# Altium PCB 室内空气监测MSP430.PcbDoc
Units mil, origin at the board's own origin, x right, y up, seen from the top; angles counter-clockwise.
Board outline 29205 x 16495 mil, 2 copper layers (Top Layer, Bottom Layer); 102 components, 103 nets, 399 pads, 267 vias.
Unrouted connection lines stored in the file: 180.
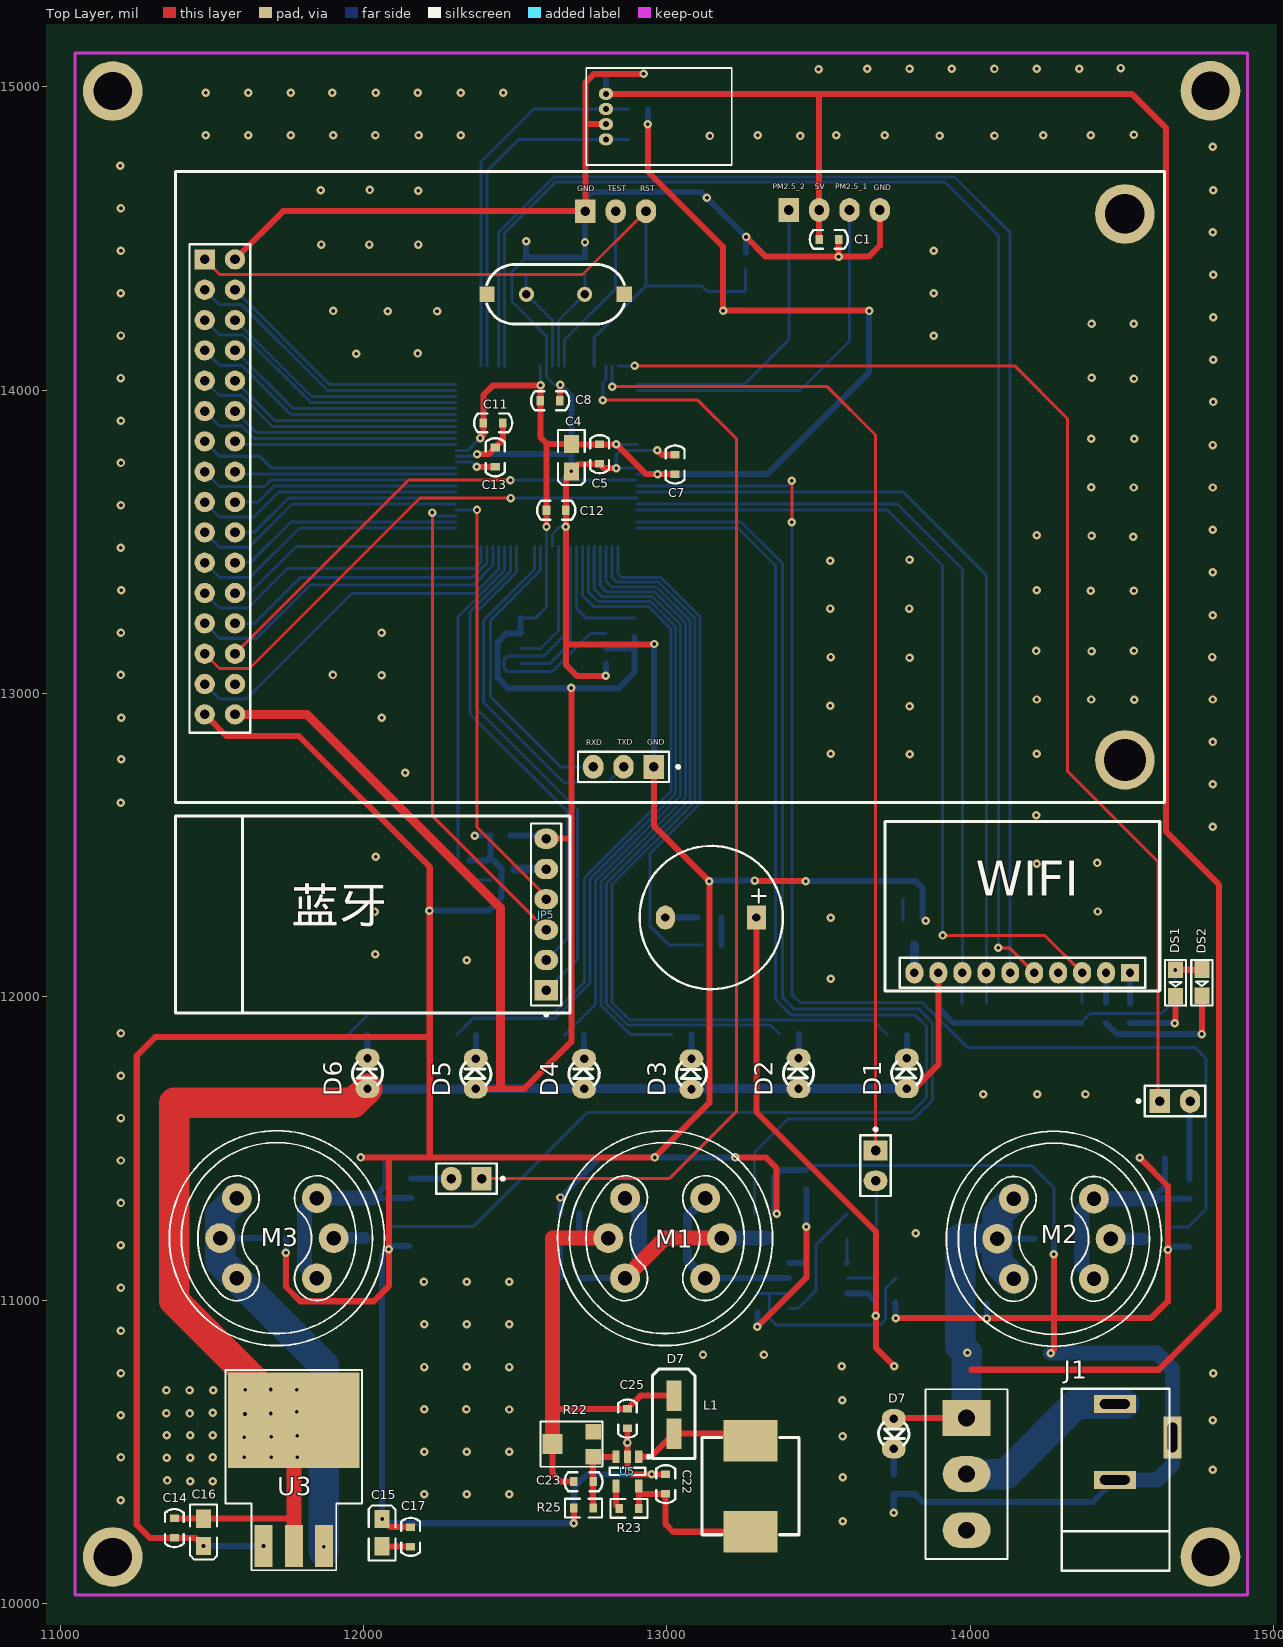
[diagram p0: Top Layer view]
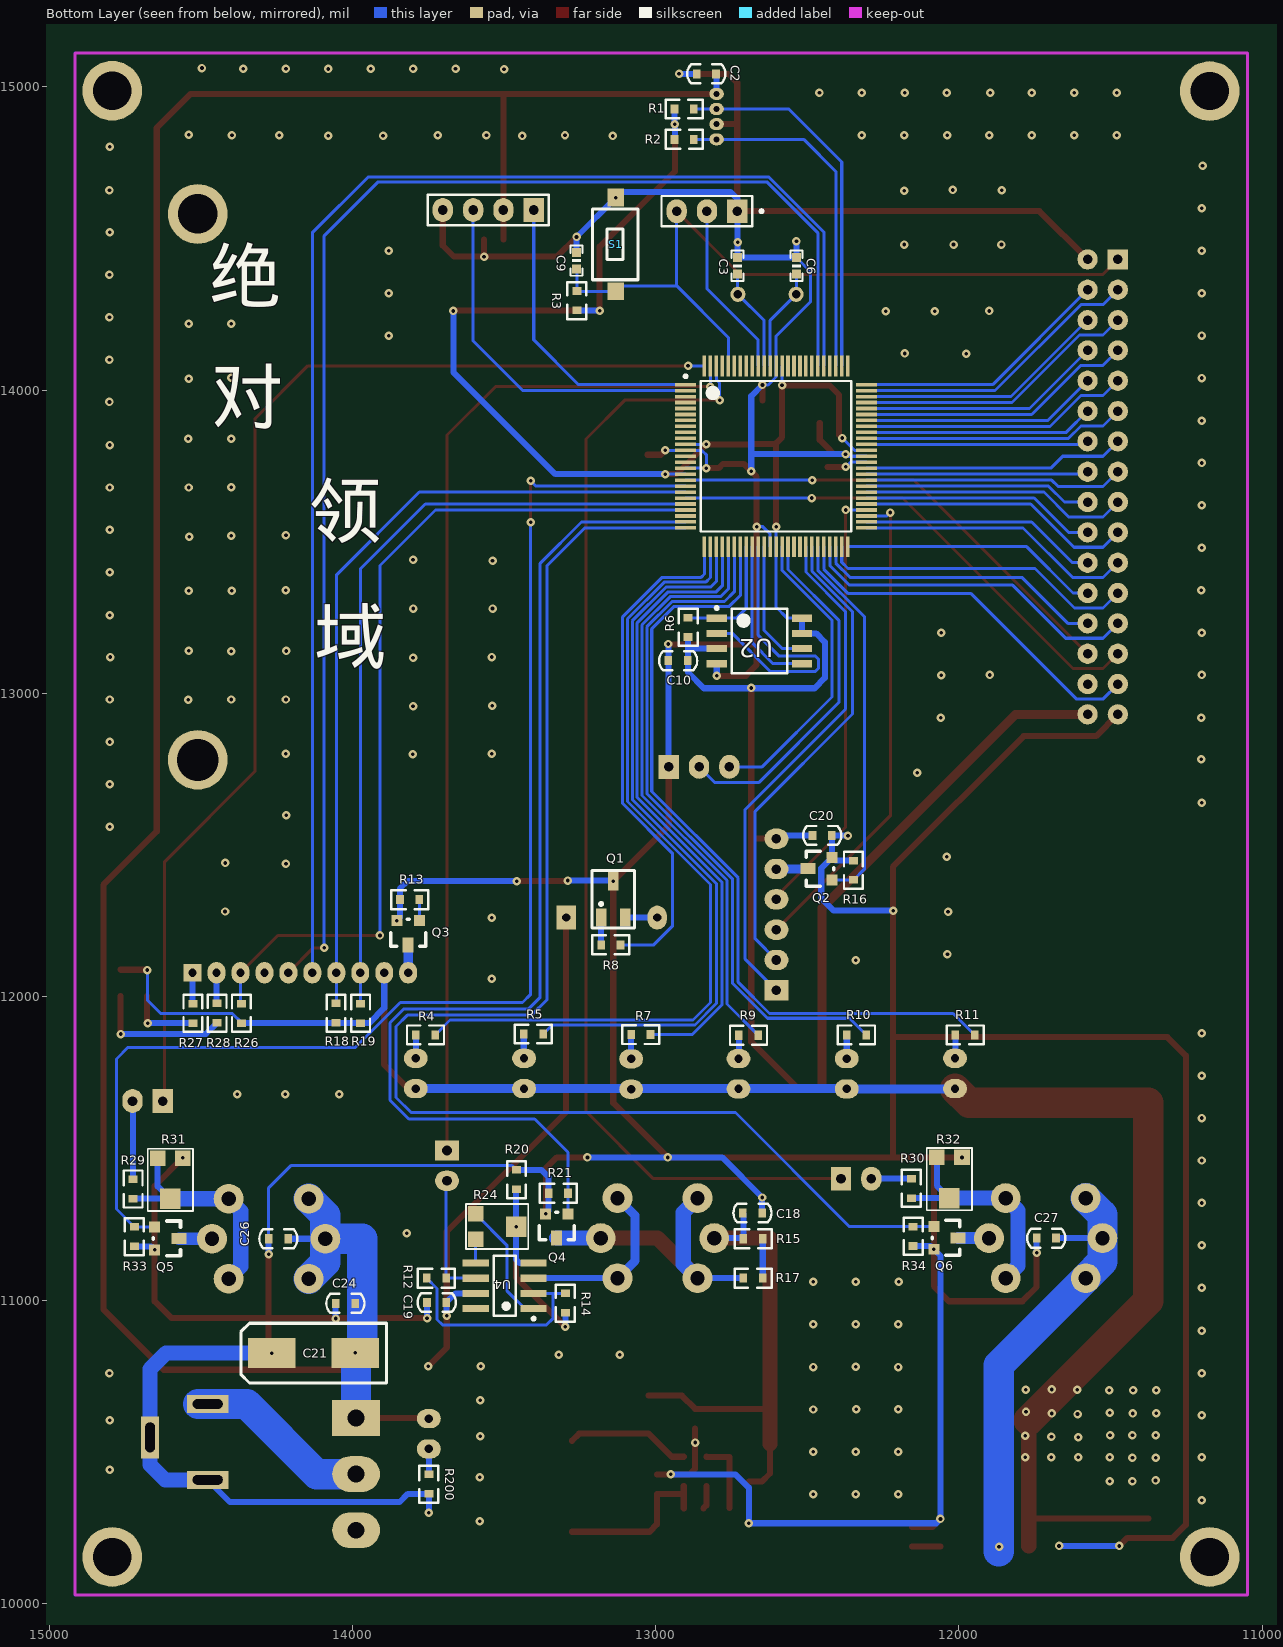
[diagram p1: Bottom Layer view, seen from below]

## Layer stack, top to bottom
Top Layer: signal copper 1.4
Dielectric: dielectric 12.6, FR-4, Dk 4.8
Bottom Layer: signal copper 1.4

## Board outline
395,17015 375,16995 375,520 29580,520 29580,17015

## Design rules (kind name [scope] priority, off if disabled: settings)
Clearance [All] p1: gap=6
HoleSize [All] p1: absolutevalues=TRUE maxlimit=12 minlimit=12 maxpercent=80.000 minpercent=20.000
HoleToHoleClearance [All] p1: gap=6 allowstackedmicrovias=TRUE
PolygonConnect [All] p1: connectstyle=Relief reliefconductorwidth=10 reliefentries=4 polygonreliefangle="90 Angle" airgapwidth=10
RoutingVias [All] p1: holewidth=28 width=50 viastyle="Through Hole" minholewidth=28 minwidth=50 maxholewidth=28 maxwidth=50
SolderMaskExpansion [All] p1: expansion=4
Width [All] p1: maxlimit=500 minlimit=6 preferedwidth=10
26 further rules are at their usual default settings.

## Classes and differential pairs
component class 室内空气监测: C1 C2 C3 C4 C5 C6 C7 C8 C9 C10 C11 C12 C13 C14 C15 C16 C17 C18 C19 C20 C21 C22 C23 C24 C25 C26 C27 D1 D2 D3 D4 D5 D6 D7 DS1 DS2 J1 JP1 JP3 JP4 JP5 L1 M1 M2 M3 Q1 Q2 Q3 Q4 Q5 Q6 R1 R2 R3 R4 R5 R6 R7 R8 R9 R10 R11 R12 R13 R14 R15 R16 R17 R18 R19 R20 R21 R22 R23 R24 R25 R26 R27 R28 R29 R30 R31 R32 R33 R34 R200 S1 U2 U3 U4 U5 U？1

## Components (designator, comment, footprint, x,y, rotation, side; value= is the part's Value field where it differs from the comment)
C1 "0.1UF" 0603C 13502,14497 r0 top
C2 "0.1UF" 0603C 12801,15043 r0 bottom
C3 "30PF" 0603P 12730,14410 r90 bottom
C4 "Cap Pol2" "0805C 10uf" 12685,13822 r270 top
C5 "0.1uF" 0603C 12778,13757 r90 top
C6 "30PF" 0603P 12536,14410 r90 bottom
C7 "0.1uF" 0603C 13027,13723 r90 top
C8 "0.1uF" 0603C 12583,13965 r0 top
C9 "0.1U" 0603P 13261,14427 r270 bottom
C10 "0.1UF" 0603C 12958,13108 r180 bottom
C11 "0.1uF" 0603C 12459,13892 r180 top
C12 "0.1uF" 0603C 12603,13604 r0 top
C13 "0.47uF" 0603C 12434,13811 r270 top
C14 "0.1uF" 0603C 11376,10216 r90 top
C15 "Cap Pol2" "0805C 10uf" 12061,10188 r90 top
C16 "Cap Pol2" "0805C 10uf" 11472,10279 r270 top
C17 "0.1uF" 0603C 12155,10251 r270 top
C18 "0.1UF" 0603C 12713,11287 r180 bottom
C19 "0.1UF" 0603C 13690,10992 r0 bottom
C20 "0.1UF" 0603C 12483,12532 r180 bottom
C21 "Cap Pol2" "7343 E型" 14128,10825 r0 bottom
C22 "2.2uF" 0603C 12996,10425 r270 top
C23 "390pF" 0603C 12757,10401 r180 top
C24 "0.1uF" 0603C 13991,10989 r0 bottom
C25 "4.7uF" 0603C 12870,10577 r90 top
C26 "0.1UF" 0603C 14212,11202 r0 bottom
C27 "0.1UF" 0603C 11680,11204 r0 bottom
D1 "" LED0.1-0.15 13791,11747 r90 top
D2 "" LED0.1-0.15 13434,11747 r90 top
D3 "" LED0.1-0.15 13081,11745 r90 top
D4 "" LED0.1-0.15 12727,11746 r90 top
D5 "" LED0.1-0.15 12370,11746 r90 top
D6 "" LED0.1-0.15 12013,11747 r90 top
D7 "5819" Diode-5819 13023,10622 r90 top
D7 "" LED0.1-0.15 13748,10559 r270 top
DS1 "" SMDLED 14677,12089 r270 top
DS2 "" SMDLED 14764,12090 r270 top
J1 "" PWJ-2/3 14477,10657 r90 top
JP1 "Header 4" HDR1-4 13402,14594 r270 bottom
JP2 "Header 2X16" HDR2-16 11476,14431 r270 top locked
JP3 "Header 3" HDR1-3 12957,12758 r270 top
JP4 "Header 3" HDR1-3 12731,14590 r270 bottom
JP5 "Header 6" HDR1-6 12602,12021 r180 top locked
JP6 "Header 10" "header 10 2.0" 14527,12079 r270 top locked
JP7 "" HDR1-2 13688,11493 r0 top
JP8 "" HDR1-2 14625,11656 r90 top
JP9 "" HDR1-2 12389,11400 r270 top
L1 "INDUCTOR" "0640 贴片电感" 13276,10386 r90 top
M1 "MG811" MG811 12994,11204 r0 top locked
M2 "MQ7" MG811 14276,11202 r0 top locked
M3 "MQ5" MG811 11714,11204 r0 top locked
Q1 "9012_SOT23" SOT-23-3L 13140,12321 r180 bottom
Q2 "SI2302" SOT23 12458,12422 r90 bottom
Q3 "SI2302" SOT23 13816,12211 r0 bottom
Q4 "SI2302" SOT23 13326,11244 r0 bottom
Q5 "SI2302" SOT23 14612,11203 r270 bottom
Q6 "SI2302" SOT23 12043,11205 r270 bottom
R1 "" 0603R 12906,14927 r180 bottom
R2 "" 0603R 12906,14827 r0 bottom
R3 "100K" 0603R 13260,14295 r270 bottom
R4 "" 0603R 13759,11874 r180 bottom
R5 "" 0603R 13403,11877 r180 bottom
R6 "10K" 0603R 12893,13218 r90 bottom
R7 "" 0603R 13049,11875 r180 bottom
R8 "10K" 0603R 13148,12171 r180 bottom
R9 "" 0603R 12694,11873 r180 bottom
R10 "" 0603R 12338,11874 r180 bottom
R11 "" 0603R 11980,11874 r180 bottom
R12 "" 0603R 13723,11072 r0 bottom
R13 "100K" 0603R 13811,12320 r0 bottom
R14 "" 0603R 13298,10990 r270 bottom
R15 "" 0603R 12679,11202 r0 bottom
R16 "100K" 0603R 12348,12417 r90 bottom
R17 "" 0603R 12679,11072 r180 bottom
R18 "" 0603R 14054,11946 r90 bottom
R19 "" 0603R 13973,11945 r90 bottom
R20 "" 0603R 13459,11397 r90 bottom
R21 "100K" 0603R 13321,11352 r0 bottom
R22 "RES-Pot2" "电位器 贴片" 12757,10483 r90 top
R23 "51K" 0603R 12875,10313 r180 top
R24 "RES-Pot2" "电位器 贴片" 13594,11284 r270 bottom
R25 "13K" 0603R 12725,10314 r180 top
R26 "" 0603R 14366,11945 r270 bottom
R27 "" 0603R 14526,11945 r270 bottom
R28 "" 0603R 14446,11946 r270 bottom
R29 "" 0603R 14723,11366 r90 bottom
R30 "" 0603R 12157,11368 r90 bottom
R31 "RES-Pot2" "电位器 贴片" 14559,11468 r0 bottom
R32 "RES-Pot2" "电位器 贴片" 11990,11470 r0 bottom
R33 "100K" 0603R 14719,11209 r270 bottom
R34 "100K" 0603R 12151,11210 r270 bottom
R200 "" 0603R 13748,10393 r90 bottom
S1 "" 两脚贴片按键 13133,14480 r270 bottom
S2 "SW-SPDT" "大电流拨动开关 两档三脚" 13988,10611 r270 top
U1 "MSP430F5438" PQFPG100 12603,13782 r180 bottom locked
U2 "W25X64" W25X64 12658,13173 r180 bottom
U3 "LM1084  3.3V TO-263" "LM1084 TO-263" 11770,10604 r270 top
U4 "CA3140A" SOP8 13498,11047 r0 bottom
U5 "LM27313" LM27313 12870,10435 r270 top
U？1 "AM2321" AM2321 12999,14902 r270 top
Y1 "8MHz" XTAL_US 12729,14316 r180 top
蜂鸣器1 "蜂鸣器" BELL0.3-0.46 13145,12261 r0 top

## Footprints (in the part's own frame and the unit in brackets; to place one, negate y for a bottom-side part, rotate by r counter-clockwise, add the part's x,y. Pads: shape width x height; smd on the part's side, far side on the other; paste and mask are expansions set on the pad)
0603C [mil]
  rect 25x30 smd: 1(0,0) 2(64,0)
  silkscreen extent -31,-31 95,31
0603P [mil]
  rect 30x30 smd: 1(-27,0) 2(27.5,-0.06)
  silkscreen extent -50,-20 50,20
0603R [mil]
  rect 25x30 smd: 1(-32,0) 2(32,0)
  silkscreen extent -61,-31 61,31
"0640 贴片电感" [mm]
  rect 3.5x4.5 smd: 1(-3.81,0) 2(3.81,0)
  silkscreen extent -4.06,-4.06 4.06,4.06
"0805C 10uf" [mil]
  rect 60x50 smd: 1(0,0) 2(90,0)
  silkscreen extent -47,-44 135,44
"7343 E型" [mm]
  rect 4x2.5 smd: 1(-3.5,0) 2(3.5,0)
  silkscreen extent -6.1,-2.5 6.1,2.5
AM2321 [mm]
  oval 1x1.2 hole 0.5: 1(-1.905,-5.08) 2(-0.635,-5.08) 3(0.635,-5.08) 4(1.905,-5.08)
  silkscreen extent -4.06,-6.73 4.06,5.46
BELL0.3-0.46 [mm]
  rect 1.6x2 hole 0.7: 1(3.81,0)
  oval 1.6x2 hole 0.7: 2(-3.81,0)
  silkscreen extent -5.97,-6 6.03,6
Diode-5819 [mil]
  rect 100x50 smd: 1(-62.5,0) 2(62.5,0)
  silkscreen extent -145,-70 150,70
HDR1-2 [mm]
  rect 2x1.7 hole 0.8: 1(0,0)
  oval 2x1.7 hole 0.8: 2(0,-2.54)
  silkscreen extent -1.27,-3.81 1.27,1.9
HDR1-3 [mm]
  rect 2x1.7 hole 0.8: 1(0,0)
  oval 2x1.7 hole 0.8: 2(0,-2.54) 3(0,-5.08)
  silkscreen extent -1.27,-6.35 1.27,2.16
HDR1-4 [mm]
  rect 2x1.7 hole 0.8: 1(0,0)
  oval 2x1.7 hole 0.8: 2(0,-2.54) 3(0,-5.08) 4(0,-7.62)
  silkscreen extent -1.27,-8.89 1.27,1.27
HDR1-6 [mm]
  rect 2x1.7 hole 0.8: 1(0,0)
  oval 2x1.7 hole 0.8: 2(0,-2.54) 3(0,-5.08) 4(0,-7.62) 5(0,-10.16) 6(0,-12.7)
  silkscreen extent -1.27,-13.97 1.27,2.15
HDR2-16 [mm]
  rect 1.7x1.7 hole 0.8: 1(0,0)
  round 1.7 hole 0.8: 2(0,2.54) 3(2.54,0) 4(2.54,2.54) 5(5.08,0) 6(5.08,2.54) 7(7.62,0) 8(7.62,2.54) 9(10.16,0) 10(10.16,2.54) 11(12.7,0) 12(12.7,2.54) 13(15.24,0) 14(15.24,2.54) 15(17.78,0) 16(17.78,2.54) 17(20.32,0) 18(20.32,2.54) 19(22.86,0) 20(22.86,2.54) 21(25.4,0) 22(25.4,2.54) 23(27.94,0) 24(27.94,2.54) 25(30.48,0) 26(30.48,2.54) 27(33.02,0) 28(33.02,2.54) 29(35.56,0) 30(35.56,2.54) 31(38.1,0) 32(38.1,2.54)
  silkscreen extent -1.27,-1.27 39.62,3.81
"header 10 2.0" [mm]
  rect 1.5x1.5 hole 0.7: 1(0,0)
  oval 1.8x1.5 hole 0.7: 2(0,-2.007) 3(0,-4.013) 4(0,-6.02) 5(0,-8.026) 6(0,-10.033) 7(0,-12.04) 8(0,-14.046) 9(0,-16.053) 10(0,-18.059)
  silkscreen extent -1.27,-19.28 1.27,1.27
LED0.1-0.15 [mm]
  oval 1.6x2 hole 0.7: 1(-1.27,0) 2(1.27,0)
  silkscreen extent -0.96,-1.27 0.96,1.27
"LM1084 TO-263" [mm]
  rect 3.5x1.5 smd: 1(10.541,-2.54) 2(10.541,0) 3(10.541,2.54)
  rect 8x11 smd: 2(0,0)
  silkscreen extent -4.19,-5.72 12.57,5.72
LM27313 [mm] "SOT23, 5-Leads, Body 2.92x2.84mm, Pitch 0.95mm, IPC Medium Density"
  rect 1.05x0.6 smd: 1(-1.225,0.95) 2(-1.225,0) 3(-1.225,-0.95) 4(1.225,-0.95) 5(1.225,0.95)
  silkscreen extent -1.35,-1.5 0.3,1.93, body extent -0.83,-1.49 0.84,1.5, height 1.22
MG811 [mm]
  round 2.5 hole 1.2: 1(-3.353,3.353) 2(-4.75,0) 3(-3.353,-3.353) 4(3.353,-3.353) 5(4.75,0) 6(3.353,3.353)
  silkscreen extent -9,-9 9,9
PQFPG100 [mm]
  rect 1.75x0.3 smd: 1(-7.575,6) 2(-7.575,5.5) 3(-7.575,5) 4(-7.575,4.5) 5(-7.575,4) 6(-7.575,3.5) 7(-7.575,3) 8(-7.575,2.5) 9(-7.575,2) 10(-7.575,1.5) 11(-7.575,1) 12(-7.575,0.5) 13(-7.575,0) 14(-7.575,-0.5) 15(-7.575,-1) 16(-7.575,-1.5) 17(-7.575,-2) 18(-7.575,-2.5) 19(-7.575,-3) 20(-7.575,-3.5) 21(-7.575,-4) 22(-7.575,-4.5) 23(-7.575,-5) 24(-7.575,-5.5) 25(-7.575,-6) 51(7.575,-6) 52(7.575,-5.5) 53(7.575,-5) 54(7.575,-4.5) 55(7.575,-4) 56(7.575,-3.5) 57(7.575,-3) 58(7.575,-2.5) 59(7.575,-2) 60(7.575,-1.5) 61(7.575,-1) 62(7.575,-0.5) 63(7.575,0) 64(7.575,0.5) 65(7.575,1) 66(7.575,1.5) 67(7.575,2) 68(7.575,2.5) 69(7.575,3) 70(7.575,3.5) 71(7.575,4) 72(7.575,4.5) 73(7.575,5) 74(7.575,5.5) 75(7.575,6)
  rect 0.3x1.75 smd: 26(-6,-7.575) 27(-5.5,-7.575) 28(-5,-7.575) 29(-4.5,-7.575) 30(-4,-7.575) 31(-3.5,-7.575) 32(-3,-7.575) 33(-2.5,-7.575) 34(-2,-7.575) 35(-1.5,-7.575) 36(-1,-7.575) 37(-0.5,-7.575) 38(0,-7.575) 39(0.5,-7.575) 40(1,-7.575) 41(1.5,-7.575) 42(2,-7.575) 43(2.5,-7.575) 44(3,-7.575) 45(3.5,-7.575) 46(4,-7.575) 47(4.5,-7.575) 48(5,-7.575) 49(5.5,-7.575) 50(6,-7.575) 76(6,7.575) 77(5.5,7.575) 78(5,7.575) 79(4.5,7.575) 80(4,7.575) 81(3.5,7.575) 82(3,7.575) 83(2.5,7.575) 84(2,7.575) 85(1.5,7.575) 86(1,7.575) 87(0.5,7.575) 88(0,7.575) 89(-0.5,7.575) 90(-1,7.575) 91(-1.5,7.575) 92(-2,7.575) 93(-2.5,7.575) 94(-3,7.575) 95(-3.5,7.575) 96(-4,7.575) 97(-4.5,7.575) 98(-5,7.575) 99(-5.5,7.575) 100(-6,7.575)
  silkscreen extent -7.7,-6.3 6.3,6.82, body extent -7,-7 7,7, height 1.6
PWJ-2/3 [mm]
  rect 1.5x3.5 hole 0.8 slot 2.5 at 90 deg: 1(0,0) 2(-6.35,0)
  rect 3.5x1.5 hole 0.8 slot 2.5 at 0 deg: 3(-2.794,-4.826)
  silkscreen extent -13.97,-4.57 1.27,4.44
SMDLED [mm]
  rect 1.4x1.27 smd: 1(0.001,-0.002) 2(2.211,-0.002)
  silkscreen extent -0.8,-0.89 3.01,0.89
SOP8 [mm] "SOP, 8-Leads, Body 4.90x3.90mm, Pitch 1.27mm, IPC Medium Density"
  rect 2.2x0.6 smd: 1(-2.425,1.905) 2(-2.425,0.635) 3(-2.425,-0.635) 4(-2.425,-1.905) 5(2.425,-1.905) 6(2.425,-0.635) 7(2.425,0.635) 8(2.425,1.905)
  silkscreen extent -2.55,-2.5 0.93,2.88, body extent -2,-2.5 2,2.5, height 1.75
SOT23 [mil]
  rect 36x36 smd: 1(-37.5,-40) 2(37.5,-40)
  rect 36x50 smd: 3(0.5,40)
  silkscreen extent -58,-45 58,45
SOT-23-3L [mil]
  rect 35x60 smd: 1(-40,-60) 2(40,-60) 3(0,60)
  silkscreen extent -70,-95 70,95
W25X64 [mm] "SOIC, 8-Leads, Body 5.28x5.28mm, Pitch 1.27mm, IPC Medium Density"
  rect 1.7x0.6 smd: 1(-3.575,1.905) 2(-3.575,0.635) 3(-3.575,-0.635) 4(-3.575,-1.905) 5(3.575,-1.905) 6(3.575,-0.635) 7(3.575,0.635) 8(3.575,1.905)
  silkscreen extent -3.7,-2.7 2.33,2.88, body extent -2.7,-2.7 2.7,2.7, height 2.16
XTAL_US [mil]
  round 50 hole 28: 1(0,0) 2(192.13,0)
  rect 50x50 smd: ""(-130.32,0) ""(322.44,0)
  silkscreen extent -131,-98 323,98
两脚贴片按键 [mil]
  rect 59.06x55.12 smd: 1(-155,1) 2(154,1)
  silkscreen extent -117,-76 116,74
"大电流拨动开关 两档三脚" [mm]
  rect 3x4 hole 1.4: 1(0,0)
  oval 3x4 hole 1.4: 2(4.699,0) 3(9.398,0)
  silkscreen extent -2.41,-3.43 11.81,3.43
"电位器 贴片" [mm]
  rect 1.3x1.3 smd: 1(0,0) 3(2.108,0)
  rect 1.7x1.7 smd: 2(1.067,3.404)
  silkscreen extent -0.84,-0.79 2.95,4.42

## Part data
C1 C2 C5 C7 C8 C10 C11 C12 C13 C14 C17 C18 C19 C20 C22 C23 C24 C25 C26 C27: library part Cap, "Capacitor"
C3 C6 C9: library part C
C4 C15 C16 C21: "Polarized Capacitor (Axial)"
D1 D2 D3 D4 D5 D6 D7: library part LED, "Typical RED, GREEN, YELLOW, AMBER GaAs LED"
D7: library part "Diode -Zener", "Zener Diode"
DS1 DS2: library part LED2, "Typical RED, GREEN, YELLOW, AMBER GaAs LED"
J1: library part Powerjack_F, "2-Conductor Jack with 1 break contact"
JP1: "Header, 4-Pin"
JP2: "Header, 16Pin, Dual row"
JP3 JP4: "Header, 3-Pin"
JP5: "Header, 6-Pin"
JP6: "Header, 10-Pin"
JP7 JP8 JP9: library part "Header 2", "Header, 2-Pin"
M2 M3: library part MG811, "MG811"
Q2 Q3 Q4 Q5 Q6: library part "SI2302 A2SHB", "N-Channel MOSFET"
R1 R2 R4 R5 R7 R9 R10 R11 R12 R14 R17 R18 R19 R20 R26 R27 R28 R29 R30 R200: library part Res, "Resistor"
R3 R6 R8 R13 R16 R21 R23 R25 R33 R34: library part R-10K, "resistor"
R15: library part "Res Varistor"
R22 R24 R31 R32: "Potentiometer"
S1: library part SW-PB_1, "Switch"
S2: "Single-Pole, Double-Throw Switch"
U3: library part "LM1084 TO-263"
Y1: library part XTAL, "Crystal Oscillator"
蜂鸣器1: library part Buzzer, "Buzzer"

## Free pads (board coordinates)
  round 196.85 hole 125.98: 0(11173,10153) 0(11173,14986) 0(14792,10153) 0(14792,14987)
  round 196.85 hole 137.8: 0(14510,12781)
  round 196.85 hole 129.92: 0(14510,14581)

## Via types
v1: diameter 28, hole 12, Top Layer to Bottom Layer, 267 vias

## Nets (pads, with @x,y where several pads share a name; then routed paths per layer and width w, separated by ;. In a path a pad name is that pad's centre, name@x,y a point inside that pad or via, vN(x,y) a via of type N, cw(c..) or ccw(c..) an arc to the next point about the centre after c; other vN are vias at no path point)
3.3V: C4.1 C5.2 C7.1 C8.1 C10.2 C11.2 C12.1 C14.2 C16.1 C20.1 D1.1 D2.1 D3.1 D4.1 D5.1 D6.1 DS1.1 DS2.1 JP2.32 JP5.6 JP6.9 R1.1 R2.2 R3.2 R6.1 R18.1 R19.1 R26.2 U1.11 U1.16 U1.38 U1.64 U1.87 U2.3 U2.7 U2.8 U3.2 | length 14822.9
  Top Layer w10: C8.1 C8.1@12583.31,13965.31 ; C4.1 C4.1@12686,13821 ; v1@12832.63,13821 v1(12833,13821.37)
  Top Layer w20: C14.2 11377,10279 C16.1 11767,10279 ; D5.1 12530,11696 12685,11851 12685,12521 ; v1(12385,13842) 12395,13852 C11.2 12395,13984 12427,14016 v1(12583.31,14016) C8.1@12583.31,13965.31 ; C8.1 12583,13845 12603,13825 ; JP5.6 12685,12521 ; v1(12603,13550) C12.1 12603,13825 ; v1(12685,13018) 12685,12521 ; C4.1 12606,13822 12603,13825 ; C4.1@12686,13821 C5.2 v1@12832.63,13821 ; v1(12833,13821.37) 12931.37,13723 C7.1 ; v1(12937,14877) 12937,14721 13185,14473 v1(13185,14262) 13666,14262 v1(13667,14261) ; D1.1 13816,11697 13895,11776 JP6.9 ; DS1.1 14762.94,12088.97 DS2.1
  Top Layer w30: JP2.32 11813,12931 12451,12293 12451,11706
  Top Layer w50: U3.2@11770,10189 U3.2@11770,10604
  Top Layer w100: U3.2@11770,10604 11376,10998 11376,11650 11966,11650 D6.1
  Bottom Layer w10: U1.64 12344.68,13801.68 v1(12385,13842) ; U2.8 12566,13248 12603,13285 U1.38 v1(12603,13550) ; v1(12583.31,14016) U1.87 ; U2.3 U2.3@12799.25,13147.5 ; v1(12833,13821.37) U1.11 ; U1.16 v1(12969,13722.94) ; R26.2@14365,11914 14396,11945 14632,11945 14676,11989 v1(14676,12088)
  Bottom Layer w20: C20.1 JP5.6@12591,12532 ; U2.8 U2.7 12471,13198 12442,13169 12442,13051 12476,13017 12652,13017 ; 12654,13017 12841,13017 12893,13069 12893,13147.5 ; U2.3@12799.25,13147.5 12893,13147.5 ; R6.1 12893,13147.5 ; v1(12937,14877) 12937,14828 R2.2 ; v1@12938,14877 R1.1 ; v1(12969,13722.94) 13330.94,13722.94 13667,14059 v1(13667,14261) ; v1(13185,14262) 13186,14263 R3.2 ; JP6.9 13895,11963 13945,11913 R19.1 ; R19.1@13973,11914 R18.1 R26.2@14365,11914
  Bottom Layer w30: D6.1 12014,11696 D5.1 ; D5.1@12370,11697 D2.1 D1.1 ; JP5.6@12591,12532 JP5.6
  other v1: 11428,10403 11503,10403 11352,10405 11351,10480 11428,10480 11503,10481 11607,10481 11696,10482 11781,10482 11607,10548 11695,10549 11781,10552 11351,10554 11428,10554 11502,10554 11609,10624 11427,10626 11694,10626 11350,10627 11503,10628 11779,10631 11350,10702 11426,10702 11504,10702 11610,10704 11780,10704 11694,10705
5V: C1.1 C2.1 C15.1 C17.2 C19.1 C21.1 C22.2 C24.1 C26.1 C27.1 D7.1@13748,10609 JP1.2 L1.1 M2.1 M2.2 M2.3 M3.1 M3.2 M3.3 R23.1 S2.1 U3.3 U4.7 U5.5 U？1.1 蜂鸣器1.1 | length 12651.4
  Top Layer w20: C15.1@12061,10187 C17.2 ; U？1.1 14533,14977 14645,14865 14645,12545 14821,12369 14821,10969 14622,10770 14004,10770 ; R23.1 12907.4,10313.4 U5.5 ; 12908.4,10361 C22.2 12996,10260 13020,10236 L1.1 ; 蜂鸣器1.1 13295,11620 13689,11226 v1(13689,10948) 13689,10843 v1(13750,10782) ; C1.1 JP1.2 13502,14977 ; D7.1@13750,10611 S2.1
  Bottom Layer w20: M3.2 C27.1 ; U？1.1 12799,15041 C2.1 ; U4.7 13660,11022 C19.1 13690,10949 v1(13689,10948) ; M2.2 C26.1
  Bottom Layer w100: M3.1 11527,11281 M3.2 11527,11127 M3.3 11869,10785 11869,10171 ; S2.1 13988,10822.8 C21.1 13967,10848.2 13967,11202 M2.2 ; M2.3 14089,11125 M2.2 ; M2.1 14089,11279 M2.2
  other v1: 11868,10187 13580,10270 13580,10416 13579,10551 13578,10669 13577,10782 13991,10825.8
6V: C18.1 C23.2 C25.2 D7.2@13023,10684.5 M1.2 R15.2 R22.2 | length 1634.2
  Top Layer w20: R22.2 12623,10428 12650,10401 C23.2 ; 12625,10641 C25.2 12913.5,10684.5 D7.2@13023,10684.5
  Top Layer w50: R22.2 12623,11204 M1.2
  Bottom Layer w20: R15.2 C18.1@12711,11285 ; R15.2@12713,11204 M1.2
AGND: R14.2 R20.1 R24.2 U4.4 | length 737.5
  Top Layer w20: v1(13298,10912) 13460,11074 v1(13460,11242)
  Bottom Layer w20: v1(13298,10912) R14.2 ; U4.4 13449,11122 13460,11133 v1(13460,11242) 13460,11364 R20.1
F_CS: R6.2 U1.33 U2.1 | length 409.1
  Bottom Layer w10: U1.33 12701.43,13280.57 12734,13248 U2.1 12891,13248 R6.2
F_MISO: U1.35 U2.2 | length 945.2
  Bottom Layer w10: U1.35 12662.06,13192.06 12593,13123 12473,13123 12463,13113 12463,13083 12473,13073 12623,13073 12748,13198 U2.2
F_MOSI: U1.34 U2.5 | length 510
  Bottom Layer w10: U2.5 12613,13098 12681.74,13166.74 U1.34
F_SCK: U1.36 U2.6 | length 426.1
  Bottom Layer w10: U2.6 12583,13148 12642.37,13207.37 U1.36
GND: C1.2 C2.2 C3.2 C4.2 C5.1 C6.2 C7.2 C8.2 C9.1 C10.1 C11.1 C12.2 C13.1 C14.1 C15.2 C16.2 C17.1 C18.2 C19.2 C20.2 C21.2 C22.1 C24.2 C25.1 C26.2 C27.2 J1.2 J1.3 JP1.4 JP2.2 JP2.31 JP3.1 JP4.1 Q1.3 Q2.2 Q3.2 Q4.2 Q5.2 Q6.2 R13.2 R16.2 R20.2 R21.2 R25.2 R31.1 R32.1 R33.2 R34.2 R200.1 S1.1 U1.12 U1.15 U1.37 U1.63 U1.88 U2.4 U3.1 U5.2 U？1.3 | length 25382.1
  Top Layer w10: C8.2 C8.2@12648,13966
  Top Layer w20: v1(11472,10189) 11445,10216 C14.1 11295,10216 11252,10259 11252,11806 11313,11867 12215,11867 ; JP2.31 11548,12859 11787,12859 12218,12428 12218,11472 12216,11470 ; JP2.2 11735,14590 JP4.1 12731,14876 ; v1(11744,11156) 11744,11043 11791,10996 12033,10996 12083,11046 v1(12083,11167.5) 12083,11469 12084,11470 ; v1(11990,11470) 12084,11470 ; v1(12061,10278) 12088,10251 C17.1 ; v1(12374,13789) 12412,13789 C13.1 12459,13836 C11.1 ; C8.2@12648,13966 v1(12648,14017) ; v1(12693,10264) R25.2 ; v1(12798.75,13058) 12703,13058 12667,13094 12667,13162 ; U？1.3 12732,14877 12731,14876 ; v1(12833,13742.63) 12792.37,13742.63 C5.1 12710,13757 v1(12685,13732) 12667,13714 C12.2 v1(12667,13550) 12667,13162 ; C25.1 U5.2 12870,10443 12888,10425 v1(12950,10425) C22.1 ; v1(12923,15043) 12760,15043 12731,15014 12731,14876 ; JP3.1 12957,12564 v1(13140,12381) 13140,11650 v1(12960,11470) 12216,11470 ; v1(12958,13163) 12957,13162 12667,13162 ; v1(12968.68,13801.68) 12983.37,13787 C7.2 ; v1(13225,11470) 13326,11470 13362,11434 v1(13362,11284) ; v1(13261,14505) 13326,14440 v1(13566,14440) ; v1@13292,12381 v1(13458,12381) ; C1.2 v1(13566,14440) ; JP1.4 13702,14477 13665,14440 v1(13566,14440) ; v1(13754,10940) 14276,10940 ; v1(14265.8,10825) 14276,10835.2 14276,10940 ; v1(14276,11151) 14276,10940 ; v1(14559,11469) 14652,11376 v1(14652,11165.5) 14652,10996 14596,10940 14276,10940 ; 12084,11470 12216,11470
  Bottom Layer w10: U1.63 12367,13782 v1(12374,13789) ; C6.2 12489,14390.56 12489,14292 12603,14178 U1.88 12603,14043 12629,14017 v1(12648,14017) ; U1.37 12622.68,13525.68 12647,13550 v1(12667,13550) ; U1.15 v1(12833,13742.63) 12833,13787 12842.37,13796.37 12843.36,13796.37 12848.67,13801.68 U1.12 v1(12968.68,13801.68) ; R20.2 13473,11443 14203,11443 14276,11370 C26.2
  Bottom Layer w20: v1(11472,10189) v1(11670,10189) ; v1(11744,11156) C27.2 ; R34.2 12093.5,11178 v1(12083,11167.5) 12061,11145.5 v1(12061,10278) 12075,10264 v1(12693,10264) 12693,10381 12737,10425 v1(12950,10425) ; v1(12217,12284) 12413,12284 12454,12325 12454,12423.5 Q2.2 ; R16.2 12407.5,12449 Q2.2 ; v1(12366,12531) 12367,12532 C20.2 12418,12531 Q2.2 ; v1(12374,13789) 12685,13789 ; v1(12535.94,14491.06) C6.2 C3.2 v1(12729.94,14488.06) 12729.94,14588.94 JP4.1 12731,14631 12753,14653 13113,14653 v1(13132,14634) v1(13261,14505) C9.1 ; v1(12648,14017) 12685,13980 12685,13789 ; C18.2 v1(12649,11338) 12781,11470 v1(12960,11470) v1(13225,11470) ; v1(12685,13732) 12685,13789 ; v1(12798.75,13058) U2.4 ; C2.2 v1(12923,15043) ; JP3.1 12958,12759 C10.1 v1(12958,13163) ; v1(13140,12381) 13142,12383 v1(13290,12383) ; v1(13362,11284) 13353,11293 R21.2 13353,11405 13377,11429 R20.2 ; v1(13458,12381) 13819,12381 13843,12357 R13.2 13843,12261.5 v1(13853.5,12251) ; JP1.4@13702,14588 JP1.4 ; v1(13748,10299) R200.1 13817,10361 13844,10334 14404,10334 J1.2 ; v1(13754,10940) C19.2 ; v1(14055,10939) C24.2 ; v1(14276,11151) C26.2 ; v1(14652,11165.5) 14663.5,11177 R33.2
  Bottom Layer w50: v1(14265.8,10825) 14615,10825 14667,10773 J1.3 14667,10457 14617,10407 J1.2
  other v1: 11199,10340 12200,10360 12340,10360 12480,10360 14800,10440 11200,10481 12200,10500 12340,10500 12480,10500 12870,10530.11 14800,10603 11199,10620 12480,10639 12200,10640 12339,10640 11200,10759 14801,10759 12200,10779 12480,10779 12340,10780 13119,10820 13320,10820 11200,10899 12200,10920 12340,10920 12480,10920 11200,11040 12199,11060 12340,11060 12480,11060 11199,11180 13821,11220 11200,11320 11200,11460 11200,11600 14043,11679 14221,11679 14380,11679 11200,11740 11200,11880 13540,12059 12340,12120 12038,12140 13540,12260 12036,12280 14420,12281 14219,12438 14419,12441 12040,12461 14800,12560 14218,12598 11199,12640 14800,12701 12137,12738 11201,12783 13801,12800 13540,12801 14220,12801 14800,12840 11201,12920 12060,12920 13800,12958 13539,12959 14541,12979 14219,12980 14399,12980 14800,12980 12059,13060 11199,13061 11899,13061 13800,13118 13540,13120 14798,13120 14400,13139 14218,13140 14540,13141 11200,13200 12059,13200 14800,13258 13538,13280 13799,13280 14398,13338 14540,13339 11201,13340 14220,13340 14800,13399 13538,13438 13800,13441 11199,13480 14538,13517 14400,13520 14219,13521 14800,13540 11200,13620 14539,13679 14800,13679 14399,13680 11200,13760 14800,13819 14399,13840 14541,13840 11200,13899 14801,13961 14540,14038 11199,14040 14400,14041 14801,14100 11976,14120 12179,14121 13880,14179 11200,14180 14400,14219 14539,14219 14801,14240 12080,14260 12242,14260 11900,14261 13880,14319 11199,14320 14801,14381 11200,14460 13880,14460 11860,14480 12018,14480 12180,14480 14800,14521 11200,14600 12180,14658 11859,14659 14801,14659 12020,14660 11197,14740 14800,14802 13142,14838 13440,14838 13899,14839 14080,14839 11480,14840 11620,14840 11760,14840 11900,14840 12039,14840 12181,14840 12320,14840 13299,14840 13558,14840 13718,14840 14241,14840 14397,14840 14540,14842 11480,14980 11620,14980 11760,14980 11897,14980 12040,14980 12179,14980 12320,14980 12460,14980 13500,15058 14080,15059 13660,15060 13800,15060 13939,15060 14219,15060 14360,15060 14496,15062
L_RXD: JP5.3 U1.53 | length 1614
  Top Layer w10: v1(12226.5,13596.5) 12226.5,12596.5 JP5.3
  Bottom Layer w10: v1(12226.5,13596.5) 12237.85,13585.15 U1.53
L_TXD: JP5.4 U1.54 | length 1447.4
  Top Layer w10: v1(12373.83,13604.83) 12373.83,12558.52 12602,12330.36 JP5.4
  Bottom Layer w10: U1.54 v1(12373.83,13604.83)
NetC3_1: C3.1 U1.90 Y1.1 | length 337.7
  Bottom Layer w10: U1.90 12642.37,14229.37 Y1.1 ; Y1.1@12730,14317 C3.1
NetC6_1: C6.1 U1.89 Y1.2 | length 337.4
  Bottom Layer w10: Y1.2@12536,14316.87 C6.1 ; Y1.2 12622.68,14230.19 U1.89
NetC13_2: C13.2 U1.62 | length 135.6
  Top Layer w20: v1(12373,13747) C13.2
  Bottom Layer w10: U1.62 12357.69,13762.31 v1(12373,13747)
NetC23_1: C23.1 R22.1 R25.1 U5.3 | length 244.7
  Top Layer w20: R25.1 C23.1 R22.1 12832.37,10483 U5.3
NetD1_2: D1.2 R4.1 | length 77
  Bottom Layer w20: D1.2 R4.1
NetD2_2: D2.2 R5.1 | length 80.4
  Bottom Layer w20: D2.2 13435,11798 R5.1
NetD3_2: D3.2 R7.1 | length 80
  Bottom Layer w20: D3.2 R7.1
NetD4_2: D4.2 R9.1 | length 77.4
  Bottom Layer w20: R9.1 12726,11797 D4.2
NetD5_2: D5.2 R10.1 | length 78
  Bottom Layer w20: D5.2 R10.1
NetD6_2: D6.2 R11.1 | length 77.4
  Bottom Layer w20: R11.1 12012,11798 D6.2
NetD7_1: D7.1@13023,10559.5 L1.2 U5.1 | length 409.9
  Top Layer w20: U5.1 12946.73,10483.23 13023,10559.5 13252.5,10559.5 L1.2
NetD7_2: D7.2@13748,10509 R200.2 | length 84
  Bottom Layer w20: R200.2 D7.2@13748,10509
NetDS1_2: DS1.2 R27.2 | length 238.8
  Top Layer w20: v1(14675,11913) 14676.94,11914.94 DS1.2
  Bottom Layer w20: R27.2 v1(14675,11913)
NetDS2_2: DS2.2 R28.2 | length 459.3
  Top Layer w20: DS2.2 14763.94,11877.06 v1(14764,11877)
  Bottom Layer w20: R28.2 14483,11877 v1(14764,11877)
NetJ1_1: J1.1 S2.2 | length 615.7
  Bottom Layer w100: S2.2 14117,10426 14348,10657 J1.1@14508,10657
NetJP5_5: JP5.5 Q2.3 | length 104.6
  Bottom Layer w10: Q2.3 Q2.3@12499.5,12421
  Bottom Layer w30: Q2.3@12499.5,12421 JP5.5
NetJP6_1: JP6.1 R27.1 | length 101
  Bottom Layer w20: R27.1@14527,11978 JP6.1
NetJP6_2: JP6.2 R28.1 | length 99
  Bottom Layer w20: R28.1@14448,11980 JP6.2
NetJP6_10: JP6.10 Q3.3 | length 92.2
  Bottom Layer w30: JP6.10 13816,12170.5 Q3.3
NetJP7_2: JP7.2 R12.1 U4.6 | length 419.8
  Bottom Layer w10: U4.6 R12.1 13691,11390 JP7.2
NetJP8_2: JP8.2 R29.2 | length 258.8
  Bottom Layer w20: R29.2 14723,11654 JP8.2
NetJP9_2: JP9.2 R30.2 | length 132
  Bottom Layer w20: R30.2 JP9.2
NetM1_1: M1.1 M1.3 M1.5 Q4.3 R17.1 | length 973.1
  Top Layer w50: M1.3 12994,11204 M1.5
  Bottom Layer w20: R17.1 M1.3
  Bottom Layer w50: M1.3 12909,11119 12909,11289 M1.1 ; M1.5 Q4.3
NetM1_4: M1.4 M1.6 U4.3 | length 588.6
  Bottom Layer w20: M1.4 U4.3
  Bottom Layer w30: M1.4 13068,11130 13068,11278 M1.6
NetM2_4: M2.4 M2.6 R29.1 R31.2 R31.3 | length 763.1
  Bottom Layer w20: R31.3 14642,11375 R31.2 R29.1
  Bottom Layer w50: M2.4 14368,11110 14368,11294 M2.6 R31.2
NetM2_5: M2.5 Q5.3 | length 109.2
  Bottom Layer w40: M2.5 14571.5,11202 Q5.3
NetM3_4: M3.4 M3.6 R30.1 R32.2 R32.3 | length 759.9
  Bottom Layer w20: R32.3 12073,11377 R32.2 R30.1
  Bottom Layer w50: M3.4 11805,11113 11805,11295 M3.6 R32.2
NetM3_5: M3.5 Q6.3 | length 101.5
  Bottom Layer w40: M3.5 Q6.3@12002.5,11204
NetQ1_1: Q1.1 R8.1 | length 90
  Bottom Layer w20: R8.1 Q1.1
NetQ1_2: Q1.2 蜂鸣器1.2 | length 105
  Bottom Layer w20: 蜂鸣器1.2 Q1.2
NetQ3_1: Q3.1 R13.1 | length 69.2
  Bottom Layer w10: Q3.1 13778.5,12319.5 R13.1
NetR12_2: R12.2 R14.1 U4.2 | length 736.2
  Bottom Layer w10: R14.1 13338,11022 ; U4.2 13338,11022 ; R12.2 13721,11038 13721,10936 13703,10918 13360,10918 13338,10940 13338,11022
NetR15_1: R15.1 R17.2 | length 130
  Bottom Layer w20: R17.2 R15.1
NetR23_2: R23.2 U5.4 | length 78.1
  Top Layer w20: U5.4 12832.6,10323.4 R23.2
NetR24_1: R24.1 U4.1 | length 408.6
  Bottom Layer w10: U4.1 13432,10972 13491,11031 13491,11181 R24.1
NetR24_3: R24.3 U4.5 | length 79.2
  Bottom Layer w10: U4.5@13594,11122.53 R24.3
  Bottom Layer w20: U4.5 U4.5@13594,11122.53
P1.0: JP2.28 U1.17 | length 1562.3
  Top Layer w10: JP2.28 12148.26,13703.26 v1(12484.26,13703.26)
  Bottom Layer w10: v1(12484.26,13703.26) U1.17
P1.1: Q5.1 R33.1 U1.18 | length 4310.9
  Top Layer w10: v1(13412,13564) v1(13412,13701)
  Bottom Layer w10: U1.18 13394.57,13683.57 v1(13412,13701) ; v1(13412,13564) 13412,12008 13439,11981 13842,11981 13990,11833 14740,11833 14778,11795 14778,11300 R33.1 14652.5,11241 Q5.1
P1.2: JP6.7 R18.2 U1.19 | length 2677.6
  Bottom Layer w10: U1.19 13779.11,13663.89 14053,13390 JP6.7 14053,11979 R18.2
P1.3: JP2.27 U1.20 | length 1678.4
  Top Layer w10: JP2.27 11525,13082 11624,13082 12186.2,13644.2 v1(12485,13644.2)
  Bottom Layer w10: v1(12485,13644.2) U1.20
P1.4: JP6.8 R19.2 U1.21 | length 2593.6
  Bottom Layer w10: U1.21 13759.48,13624.52 13974,13410 JP6.8 ; R19.2 JP6.8@13973,12078
P1.5: JP6.3 R26.1 U1.22 | length 2913.5
  Top Layer w10: v1(13909,12202) 14246,12202 JP6.3
  Bottom Layer w10: U1.22 13726.17,13604.83 13909,13422 v1(13909,12202) ; R26.1@14369,11980 JP6.3
P1.7: Q4.1 R21.1 U1.24 | length 3613.5
  Bottom Layer w10: U1.24 13244.54,13565.46 13381,13429 13381,11998 13419,11960 13830,11960 13876,11914 13876,11659 13814,11597 13399,11597 13289,11487 R21.1 13288.5,11351.5 Q4.1
P2.0: Q6.1 R34.1 U1.25 | length 4657.6
  Bottom Layer w10: Q6.1 12083.5,11242 R34.1 12361,11242 12737,11618 13806,11618 13856,11668 13856,11902 13819,11939 13410,11939 13358,11991 13358,13422 13234.22,13545.78 U1.25
P2.1: R8.2 U1.26 | length 1703.1
  Bottom Layer w10: U1.26 12839.22,13393.78 12850,13383 12978.76,13383 13109,13252.76 13109,12637.24 12945,12473.24 12945,12232 13006,12171 R8.2
P2.2: R4.2 U1.27 | length 2762
  Bottom Layer w10: U1.27 12819.54,13382.46 12835,13367 12972.14,13367 13093,13246.14 13093,12643.86 12819,12369.86 12819,11981.25 12877.25,11923 13678,11923 R4.2
P2.3: R5.2 U1.28 | length 2434.8
  Bottom Layer w10: U1.28 12799.85,13369.15 12818,13351 12965.51,13351 13077,13239.51 13077,12650.49 12800,12373.49 12800,11977.63 12870.63,11907 13341,11907 R5.2
P2.4: R7.2 U1.29 | length 2111.3
  Bottom Layer w10: U1.29 12780.17,13354.83 12800,13335 12958.88,13335 13061,13232.88 13061,12657.12 12782,12378.12 12782,11973 12880,11875 R7.2
P2.5: R9.2 U1.30 | length 1984.7
  Bottom Layer w10: R9.2 12765,11976 12765,12383.75 13045,12663.75 13045,13226.25 12952.25,13319 12786,13319 12760.48,13344.52 U1.30
P2.6: R10.2 U1.31 | length 2288.3
  Bottom Layer w10: R10.2 12361,11929 12631.63,11929 12746,12043.37 12746,12387.37 13029,12670.37 13029,13219.63 12945.63,13303 12773,13303 12740.8,13335.2 U1.31
P2.7: R11.2 U1.32 | length 2633.4
  Bottom Layer w10: R11.2 12019,11945 12625,11945 12728,12048 12728,12392 13013,12677 13013,13213 12939,13287 12757,13287 12721.11,13322.89 U1.32
P4.0: JP5.1 U1.43 | length 1696.6
  Bottom Layer w10: U1.43 12504.57,13400.32 12374,13269.75 12374,12948 12705,12617 12705,12124 JP5.1
P4.1: JP5.2 U1.44 | length 1580.2
  Bottom Layer w10: U1.44 12484.89,13403.26 12351,13269.37 12351,12932.37 12672,12611.37 12672,12191 JP5.2
P4.2: Q2.1 R16.1 U1.45 | length 1248.2
  Bottom Layer w10: Q2.1 12417.5,12385 R16.1 12311,12422 12311,13252 12465.2,13406.2 U1.45
P4.3: JP2.29 U1.46 | length 1242
  Bottom Layer w10: JP2.29 11526,12981 11612,12981 11960,13329 12365,13329 12445.52,13409.52 U1.46
P4.4: JP2.25 U1.47 | length 1131.4
  Bottom Layer w10: JP2.25 11525,13182 11648,13182 11823,13357 12361,13357 12425.83,13421.83 U1.47
P4.5: JP2.26 U1.48 | length 966.6
  Bottom Layer w10: JP2.26 11641,13231 11793,13383 12359.63,13383 12406.15,13429.52 U1.48
P4.6: JP2.23 U1.49 | length 1044.4
  Bottom Layer w10: JP2.23 11525,13282 11619,13282 11749,13412 12366,13412 12386.46,13432.46 U1.49
P4.7: JP2.24 U1.50 | length 854.1
  Bottom Layer w10: JP2.24 11624,13331 11776.77,13483.77 U1.50
P5.4: JP2.21 U1.51 | length 916.9
  Bottom Layer w10: JP2.21 11525,13382 11625,13382 11788.78,13545.78 U1.51
P5.5: JP2.22 U1.52 | length 784.5
  Bottom Layer w10: JP2.22 11626,13431 11760.46,13565.46 U1.52
P6.1: JP9.1 U1.98 | length 3761.2
  Top Layer w10: JP9.1@12389,11401.21 13009.21,11401.21 13230,11622 13230,13839 13102,13967 v1(12789,13967)
  Bottom Layer w10: v1(12789,13967) 12789,14024 12799.85,14034.85 U1.98
P6.2: JP7.1 U1.99 | length 3362.2
  Top Layer w10: v1(12819.54,14011.54) 13528.46,14011.54 13688,13852 JP7.1
  Bottom Layer w10: v1(12819.54,14011.54) U1.99
P6.3: JP8.1 U1.100 | length 3929.9
  Top Layer w10: v1(12893.23,14080.23) 14146.77,14080.23 14321,13906 14321,12743 14619,12445 JP8.1@14619,11662
  Top Layer w20: JP8.1@14619,11662 JP8.1
  Bottom Layer w10: U1.100 v1(12893.23,14080.23)
P7.2: JP2.19 U1.55 | length 908.1
  Bottom Layer w10: JP2.19 11525,13482 11621,13482 11763.52,13624.52 U1.55
P7.3: JP2.20 U1.56 | length 775.7
  Bottom Layer w10: JP2.20 11639,13531 11752.2,13644.2 U1.56
P8.0: JP2.17 U1.57 | length 883
  Bottom Layer w10: JP2.17 11525,13582 11638,13582 11719.89,13663.89 U1.57
P8.1: JP2.18 U1.58 | length 750.5
  Bottom Layer w10: JP2.18 11652,13631 11704.57,13683.57 U1.58
P8.2: JP2.15 U1.59 | length 857.9
  Bottom Layer w10: JP2.15 11525,13682 11673,13682 11694.26,13703.26 U1.59
P8.3: JP2.16 U1.60 | length 732.1
  Bottom Layer w10: JP2.16 11584.06,13722.94 U1.60
P8.4: JP2.13 U1.61 | length 865.4
  Bottom Layer w10: JP2.13 11525,13782 11658,13782 11697.37,13742.63 U1.61
P8.5: JP2.14 U1.65 | length 732.8
  Bottom Layer w10: JP2.14 11585.63,13821.37 U1.65
P8.6: JP2.11 U1.66 | length 866
  Bottom Layer w10: JP2.11 11525,13882 11598,13882 11638.94,13841.06 U1.66
P8.7: JP2.12 U1.67 | length 757.9
  Bottom Layer w10: JP2.12 11646.26,13860.74 U1.67
P9.0: JP2.9 U1.68 | length 891.1
  Bottom Layer w10: JP2.9 11525,13982 11598,13982 11699.57,13880.43 U1.68
P9.1: JP2.10 U1.69 | length 783
  Bottom Layer w10: JP2.10 11706.89,13900.11 U1.69
P9.2: JP2.7 U1.70 | length 916.3
  Bottom Layer w10: JP2.7 11525,14082 11598,14082 11760.2,13919.8 U1.70
P9.3: JP2.8 U1.71 | length 808.1
  Bottom Layer w10: JP2.8 11767.52,13939.48 U1.71
P9.4: JP2.5 U1.72 | length 941.4
  Bottom Layer w10: JP2.5 11525,14182 11602.37,14182 11825.21,13959.17 U1.72
P9.5: JP2.6 U1.73 | length 833.2
  Bottom Layer w10: JP2.6 11828.15,13978.85 U1.73
P9.6: JP2.3 U1.74 | length 966.5
  Bottom Layer w10: JP2.3 11525,14282 11598,14282 11881.46,13998.54 U1.74
P9.7: JP2.4 U1.75 | length 858.3
  Bottom Layer w10: JP2.4 11888.78,14018.22 U1.75
PM2.5_1: JP1.3 U1.2 | length 1200.5
  Bottom Layer w10: U1.2 13438.54,13998.54 13602,14162 JP1.3
PM2.5_2: JP1.1 U1.1 | length 990
  Bottom Layer w10: U1.1 13254.22,14018.22 13402,14166 JP1.1
RST: C9.2 JP2.1 JP4.3 R3.1 S1.2 U1.96 | length 2552.5
  Top Layer w10: JP2.1 11526,14381 12722,14381 JP4.3
  Bottom Layer w10: U1.96 12760.48,14173.48 12931,14344 ; JP4.3 12931,14344 ; C9.2 13259,14397.44 13259,14326 S1.2 13114,14344 12931,14344
RXD: JP3.3 U1.39 | length 997.1
  Bottom Layer w10: U1.39 12583.31,13405.69 12419,13241.37 12419,12988 12649,12758 JP3.3
SCL: R2.1 U1.78 U？1.4 | length 1152.6
  Bottom Layer w10: U1.78 12406.15,14721.15 12512,14827 U？1.4 R2.1
SDA: R1.2 U1.77 U？1.2 | length 1232.1
  Bottom Layer w10: U1.77 12386.46,14752.46 12561,14927 U？1.2 R1.2
TEST: JP4.2 U1.91 | length 579.8
  Bottom Layer w10: U1.91 12662.06,14165.06 12831,14334 JP4.2
TXD: JP3.2 U1.40 | length 1174.3
  Bottom Layer w10: U1.40 12563.63,13408.63 12396,13241 12396,12970 12659,12707 12806,12707 JP3.2
W_RXD: JP6.6 U1.80 | length 4719.2
  Bottom Layer w10: U1.80 12445.52,14521.52 12627,14703 13948,14703 14132,14519 JP6.6
W_TXD: JP6.5 U1.81 | length 4709.6
  Top Layer w10: v1(14093,12161) 14129,12161 JP6.5
  Bottom Layer w10: U1.81 12465.2,14518.58 12633.63,14687 13915,14687 14093,14509 v1(14093,12161)
pads on no net: JP2.30 JP6.4 R22.3 S2.3 U1.3 U1.4 U1.5 U1.6 U1.7 U1.8 U1.9 U1.10 U1.13 U1.14 U1.23 U1.41 U1.42 U1.76 U1.79 U1.82 U1.83 U1.84 U1.85 U1.86 U1.92 U1.93 U1.94 U1.95 U1.97 U4.8 Y1.

## Keep-outs
Keep-Out Layer:
  lines w10: 11049,10028 14914,10028 14914,15111 11049,15111 11049,10028

## Silkscreen, mask and mechanical layers (free items; w line width, h text height)
Top Overlay:
  lines w10: 11600,11946 11600,12596 ; 14624,12019 13719,12019 13719,12577 14625,12577 ; 14625,12020 14625,12576 ; 11380,11946 11380,12596 12680,12596 12680,11946 11380,11946 ; 11380,12641 11380,14721 14640,14721 14640,12641 11380,12641
  text "PM2.5_2" at 13349,14655 h30
  text "5V" at 13487,14655 h30
  text "PM2.5_1" at 13555,14655 h30
  text "GND" at 13682,14653 h30
  text "GND" at 12705,14650 h30
  text "TEST" at 12805,14650 h30
  text "RST" at 12912,14649 h30
  text "TXD" at 12836,12824 h30
  text "GND" at 12936,12824 h30
  text "RXD" at 12734,12823 h30
  text "WIFI" at 14019,12295 h196.85
  text "蓝牙" at 11761,12208 h196.85
Bottom Overlay:
  text "绝" at 14475,14234 h300
  text "对" at 14465,13835 h300
  text "领" at 14143,13459 h300
  text "域" at 14128,13045 h300

## Text inside footprints (layer, text, board x,y; h text height)
蜂鸣器1: Top Overlay "+" at 13270,12306 h59.06